# Altium PCB ADAPTONE_PCB_COPY.PcbDoc (part 10 of 11)
Units mil, origin at the board's own origin, x right, y up, seen from the top; angles counter-clockwise.
Board outline 10236.22 x 6701.71 mil, 4 copper layers (Top Layer, GND, Internal Plane 2, Bottom Layer), stack 30.2 mil thick; 1794 components, 935 nets, 4745 pads, 575 vias.
Unrouted connection lines stored in the file: 997.
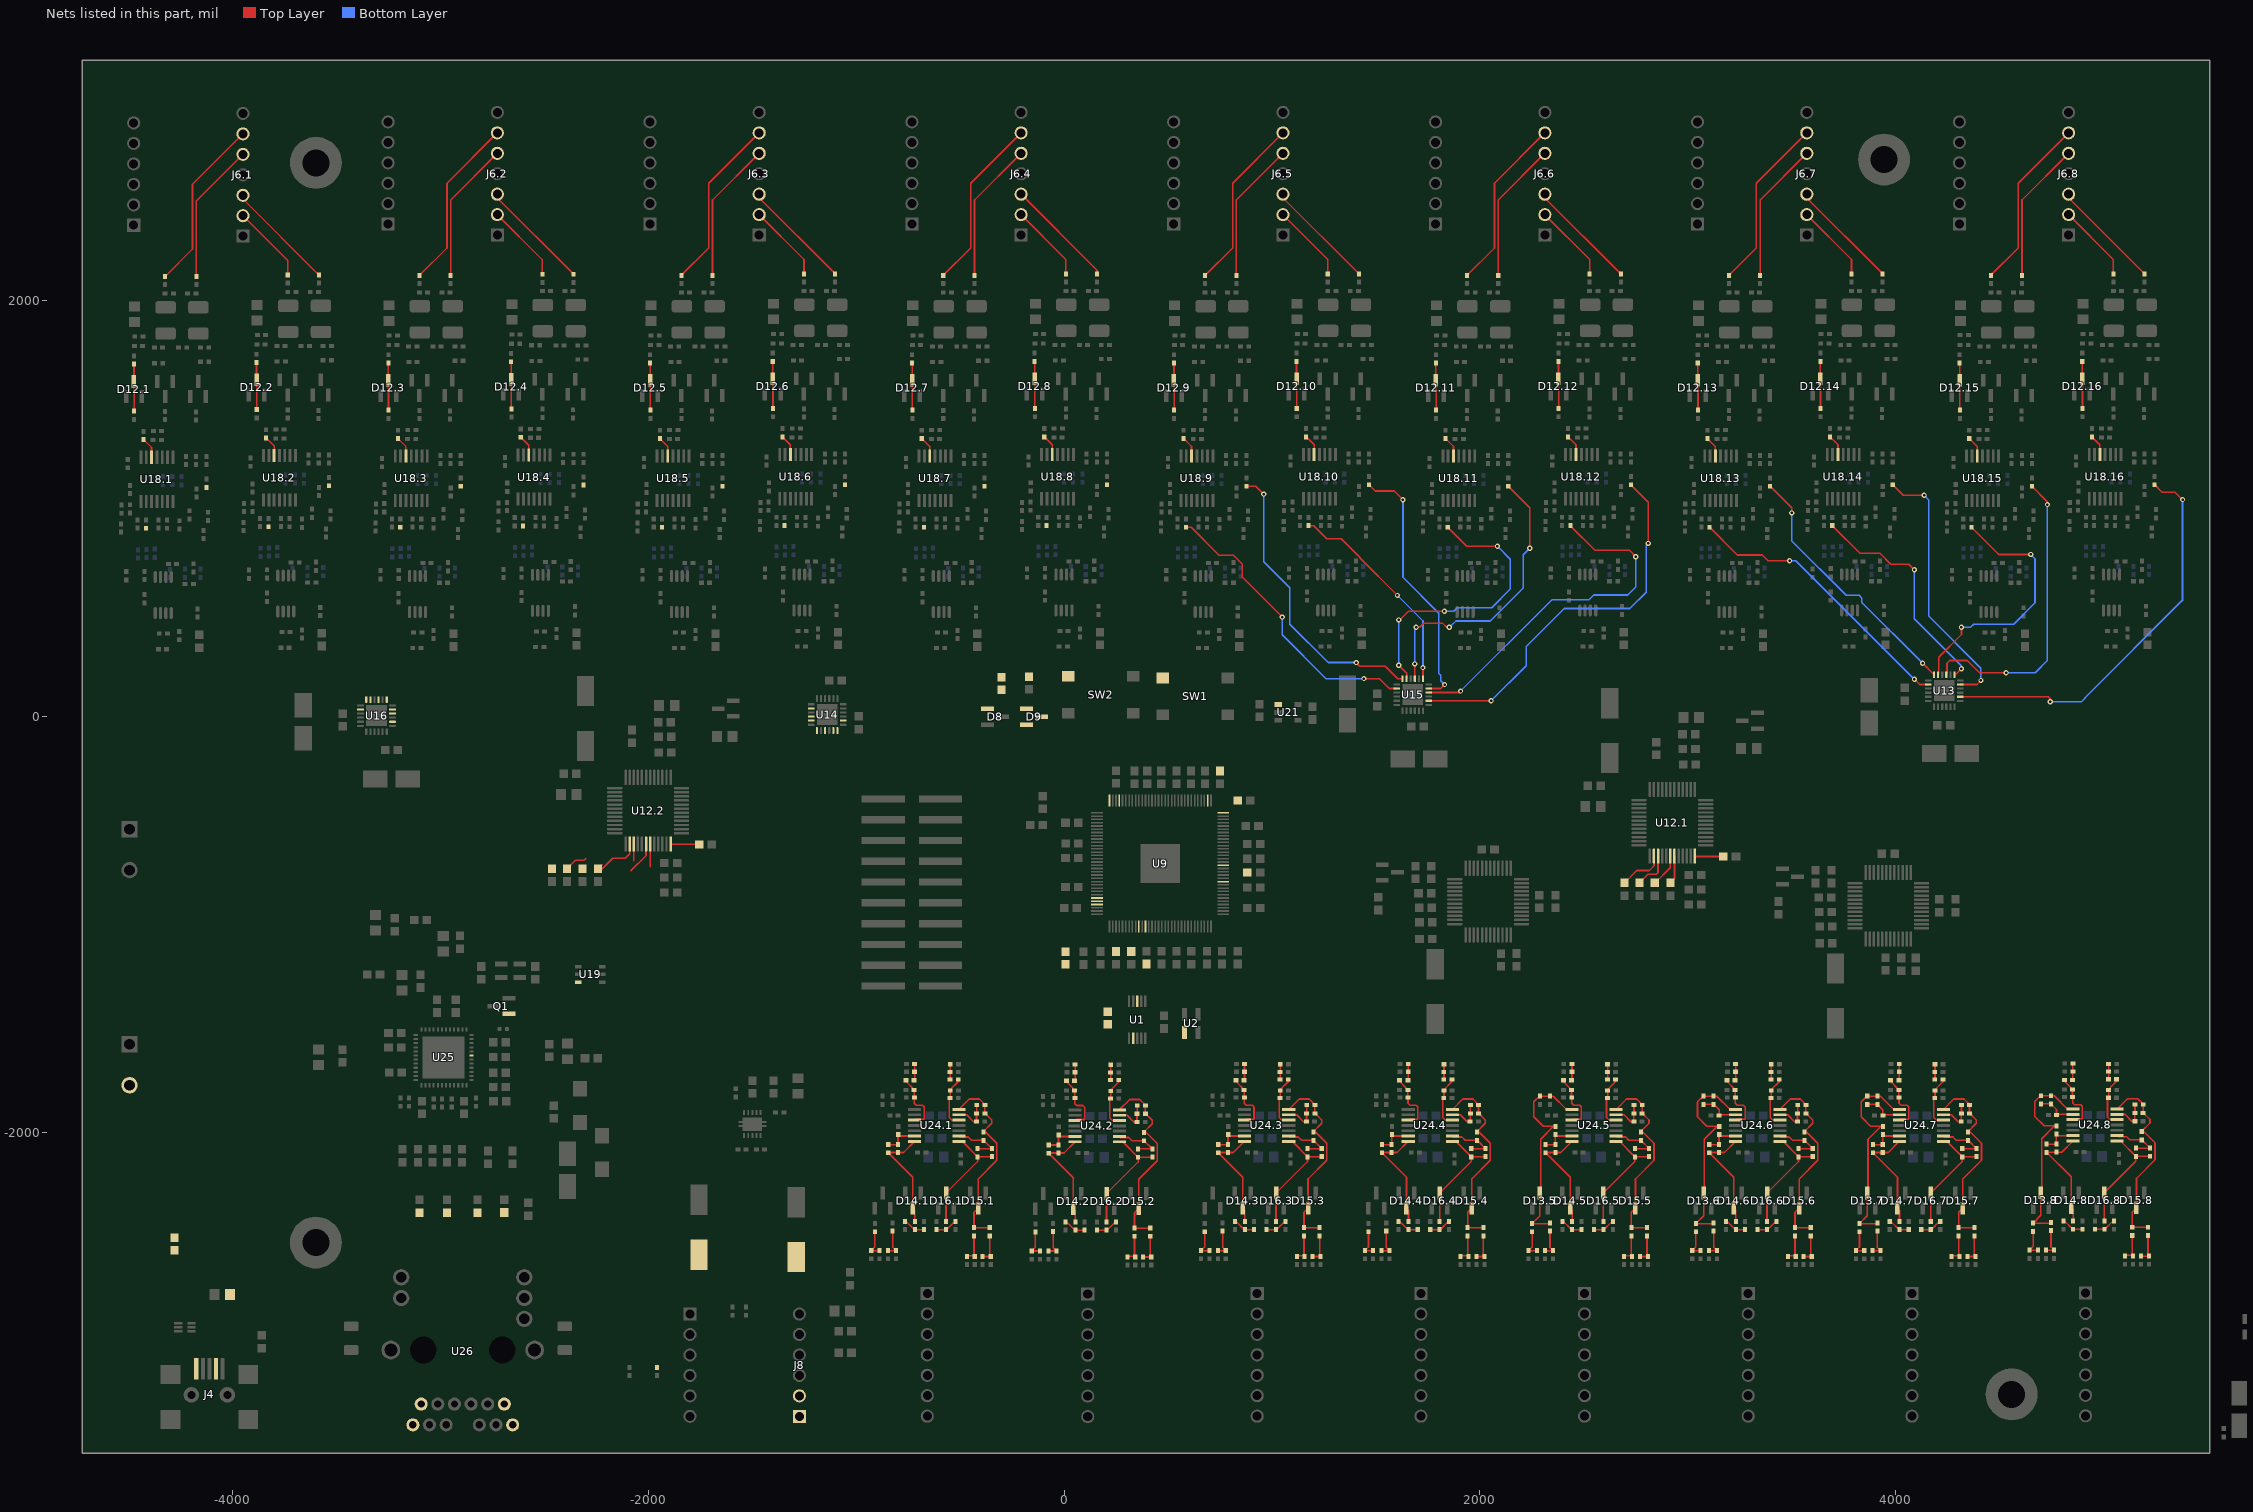
[diagram p12: the nets of this part, all layers, seen from the top]

## Via types
v1: diameter 25, hole 12, Top Layer to Bottom Layer, 566 vias
v2: diameter 19.68, hole 7.87, Top Layer to Bottom Layer, 9 vias

## Nets (pads, with @x,y where several pads share a name; then routed paths per layer and width w, separated by ;. In a path a pad name is that pad's centre, name@x,y a point inside that pad or via, vN(x,y) a via of type N, cw(c..) or ccw(c..) an arc to the next point about the centre after c; other vN are vias at no path point) (continued)
NetC132.5_2: C132.5.2 C133.5.1 C137.5.1 D13.5.3 R82.5.1 R91.5.2 U24.5.1 | length 1015.3
  Top Layer w8: C137.5.1@2336.98,-2435.5 2333.7,-2438.78 C133.5.1@2251.26,-2438.78 2288.66,-2401.37 D13.5.3@2288.66,-2292.04 2292.14,-2288.57 2292.14,-2032.96 R91.5.2@2354.33,-1970.78 ; R91.5.2@2363.98,-1970.78 R91.5.2@2354.33,-1970.78 ; U24.5.1@2442.74,-1889.69 2416.21,-1889.69 2352.29,-1825.78 R82.5.1@2336.98,-1825.78 C132.5.2@2288.66,-1825.78 2286.58,-1825.78 2258.98,-1853.38 2258.98,-1925.46 2304.29,-1970.78 R91.5.2@2354.33,-1970.78
NetC132.6_1: C132.6.1 R82.6.2 R84.6.1 U24.6.2 | length 193.1
  Top Layer w8: C132.6.1@3076.07,-1865.15 R82.6.2@3124.38,-1865.15 3151.07,-1891.83 R84.6.1@3151.07,-1918.46 3154.25,-1915.28 U24.6.2@3230.14,-1915.28
NetC132.6_2: C132.6.2 C133.6.1 C137.6.1 D13.6.3 R82.6.1 R91.6.2 U24.6.1 | length 1015.3
  Top Layer w8: C137.6.1@3124.38,-2435.5 3121.11,-2438.78 C133.6.1@3038.66,-2438.78 3076.07,-2401.37 D13.6.3@3076.07,-2292.04 3079.54,-2288.57 3079.54,-2032.96 R91.6.2@3141.73,-1970.78 ; R91.6.2@3151.38,-1970.78 R91.6.2@3141.73,-1970.78 ; U24.6.1@3230.14,-1889.69 3203.61,-1889.69 3139.7,-1825.78 R82.6.1@3124.38,-1825.78 C132.6.2@3076.07,-1825.78 3073.98,-1825.78 3046.38,-1853.38 3046.38,-1925.46 3091.7,-1970.78 R91.6.2@3141.73,-1970.78
NetC132.7_1: C132.7.1 R82.7.2 R84.7.1 U24.7.2 | length 193.1
  Top Layer w8: C132.7.1@3863.47,-1865.15 R82.7.2@3911.78,-1865.15 3938.47,-1891.83 R84.7.1@3938.47,-1918.46 3941.65,-1915.28 U24.7.2@4017.55,-1915.28
NetC132.7_2: C132.7.2 C133.7.1 C137.7.1 D13.7.3 R82.7.1 R91.7.2 U24.7.1 | length 1015.3
  Top Layer w8: C137.7.1@3911.78,-2435.5 3908.51,-2438.78 C133.7.1@3826.07,-2438.78 3863.47,-2401.37 D13.7.3@3863.47,-2292.04 3866.94,-2288.57 3866.94,-2032.96 R91.7.2@3929.13,-1970.78 ; R91.7.2@3938.78,-1970.78 R91.7.2@3929.13,-1970.78 ; U24.7.1@4017.55,-1889.69 3991.01,-1889.69 3927.1,-1825.78 R82.7.1@3911.78,-1825.78 C132.7.2@3863.47,-1825.78 3861.39,-1825.78 3833.78,-1853.38 3833.78,-1925.46 3879.1,-1970.78 R91.7.2@3929.13,-1970.78
NetC132.8_1: C132.8.1 R82.8.2 R84.8.1 U24.8.2 | length 193.1
  Top Layer w8: C132.8.1@4698.69,-1863.06 R82.8.2@4747,-1863.06 4773.69,-1889.75 R84.8.1@4773.69,-1916.38 4776.87,-1913.2 U24.8.2@4852.76,-1913.2
NetC132.8_2: C132.8.2 C133.8.1 C137.8.1 D13.8.3 R82.8.1 R91.8.2 U24.8.1 | length 1015.3
  Top Layer w8: C137.8.1@4747,-2433.42 4743.72,-2436.69 C133.8.1@4661.28,-2436.69 4698.69,-2399.29 D13.8.3@4698.69,-2289.96 4702.16,-2286.49 4702.16,-2030.88 R91.8.2@4764.35,-1968.69 ; R91.8.2@4774,-1968.69 R91.8.2@4764.35,-1968.69 ; U24.8.1@4852.76,-1887.61 4826.23,-1887.61 4762.32,-1823.69 R82.8.1@4747,-1823.69 C132.8.2@4698.69,-1823.69 4696.6,-1823.69 4669,-1851.3 4669,-1923.38 4714.31,-1968.69 R91.8.2@4764.35,-1968.69
NetC133.1_2: C133.1.2 R81.1.2 R83.1.2 | length 137.8
  Top Layer w8: C133.1.2@-910.79,-2478.15 -910.79,-2551.49 R81.1.2@-928.08,-2568.78 R83.1.2@-888.08,-2568.78
NetC133.2_2: C133.2.2 R81.2.2 R83.2.2 | length 137.8
  Top Layer w8: C133.2.2@-138.72,-2480.23 -138.72,-2553.57 R81.2.2@-156,-2570.86 R83.2.2@-116,-2570.86
NetC133.3_2: C133.3.2 R81.3.2 R83.3.2 | length 137.8
  Top Layer w8: C133.3.2@676.46,-2478.15 676.46,-2551.49 R81.3.2@659.18,-2568.78 R83.3.2@699.18,-2568.78
NetC133.4_2: C133.4.2 R81.4.2 R83.4.2 | length 137.8
  Top Layer w8: C133.4.2@1463.86,-2478.15 1463.86,-2551.49 R81.4.2@1446.58,-2568.78 R83.4.2@1486.58,-2568.78
NetC133.5_2: C133.5.2 R81.5.2 R83.5.2 | length 137.8
  Top Layer w8: C133.5.2@2251.26,-2478.15 2251.26,-2551.49 R81.5.2@2233.98,-2568.78 R83.5.2@2273.98,-2568.78
NetC133.6_2: C133.6.2 R81.6.2 R83.6.2 | length 137.8
  Top Layer w8: C133.6.2@3038.66,-2478.15 3038.66,-2551.49 R81.6.2@3021.38,-2568.78 R83.6.2@3061.38,-2568.78
NetC133.7_2: C133.7.2 R81.7.2 R83.7.2 | length 137.8
  Top Layer w8: C133.7.2@3826.07,-2478.15 3826.07,-2551.49 R81.7.2@3808.78,-2568.78 R83.7.2@3848.78,-2568.78
NetC133.8_2: C133.8.2 R81.8.2 R83.8.2 | length 137.8
  Top Layer w8: C133.8.2@4661.28,-2476.06 4661.28,-2549.41 R81.8.2@4644,-2566.69 R83.8.2@4684,-2566.69
NetC137.1_2: C137.1.2 R85.1.2 R87.1.2 | length 138.6
  Top Layer w8: R87.1.2@-848.08,-2568.78 R85.1.2@-809.76,-2568.78 -825.08,-2553.46 C137.1.2@-825.08,-2474.87
NetC137.2_2: C137.2.2 R85.2.2 R87.2.2 | length 138.6
  Top Layer w8: R87.2.2@-76,-2570.86 R85.2.2@-37.69,-2570.86 -53,-2555.54 C137.2.2@-53,-2476.95
NetC137.3_2: C137.3.2 R85.3.2 R87.3.2 | length 138.6
  Top Layer w8: R87.3.2@739.18,-2568.78 R85.3.2@777.49,-2568.78 762.18,-2553.46 C137.3.2@762.18,-2474.87
NetC137.4_2: C137.4.2 R85.4.2 R87.4.2 | length 138.6
  Top Layer w8: R87.4.2@1526.58,-2568.78 R85.4.2@1564.89,-2568.78 1549.58,-2553.46 C137.4.2@1549.58,-2474.87
NetC137.5_2: C137.5.2 R85.5.2 R87.5.2 | length 138.6
  Top Layer w8: R87.5.2@2313.98,-2568.78 R85.5.2@2352.29,-2568.78 2336.98,-2553.46 C137.5.2@2336.98,-2474.87
NetC137.6_2: C137.6.2 R85.6.2 R87.6.2 | length 138.6
  Top Layer w8: R87.6.2@3101.38,-2568.78 R85.6.2@3139.7,-2568.78 3124.38,-2553.46 C137.6.2@3124.38,-2474.87
NetC137.7_2: C137.7.2 R85.7.2 R87.7.2 | length 138.6
  Top Layer w8: R87.7.2@3888.78,-2568.78 R85.7.2@3927.1,-2568.78 3911.78,-2553.46 C137.7.2@3911.78,-2474.87
NetC137.8_2: C137.8.2 R85.8.2 R87.8.2 | length 138.6
  Top Layer w8: R87.8.2@4724,-2566.69 R85.8.2@4762.31,-2566.69 4747,-2551.38 C137.8.2@4747,-2472.79
NetC138.1_2: C138.1.2 R86.1.1 R88.1.2 | length 79.8
  Top Layer w8: R86.1.1@-721.39,-1749.46 -719.39,-1747.46 R88.1.2@-719.39,-1708.46 C138.1.2@-719.39,-1670.46
NetC138.2_2: C138.2.2 R86.2.1 R88.2.2 | length 79.8
  Top Layer w8: R86.2.1@50.69,-1751.54 52.69,-1749.54 R88.2.2@52.69,-1710.54 C138.2.2@52.69,-1672.54
NetC138.3_2: C138.3.2 R86.3.1 R88.3.2 | length 79.8
  Top Layer w8: R86.3.1@865.86,-1749.46 867.86,-1747.46 R88.3.2@867.86,-1708.46 C138.3.2@867.86,-1670.46
NetC138.4_2: C138.4.2 R86.4.1 R88.4.2 | length 79.8
  Top Layer w8: R86.4.1@1653.26,-1749.46 1655.26,-1747.46 R88.4.2@1655.26,-1708.46 C138.4.2@1655.26,-1670.46
NetC138.5_2: C138.5.2 R86.5.1 R88.5.2 | length 79.8
  Top Layer w8: R86.5.1@2440.66,-1749.46 2442.66,-1747.46 R88.5.2@2442.66,-1708.46 C138.5.2@2442.66,-1670.46
NetC138.6_2: C138.6.2 R86.6.1 R88.6.2 | length 79.8
  Top Layer w8: R86.6.1@3228.07,-1749.46 3230.07,-1747.46 R88.6.2@3230.07,-1708.46 C138.6.2@3230.07,-1670.46
NetC138.7_2: C138.7.2 R86.7.1 R88.7.2 | length 79.8
  Top Layer w8: R86.7.1@4015.47,-1749.46 4017.47,-1747.46 R88.7.2@4017.47,-1708.46 C138.7.2@4017.47,-1670.46
NetC138.8_2: C138.8.2 R86.8.1 R88.8.2 | length 79.8
  Top Layer w8: R86.8.1@4850.69,-1747.38 4852.69,-1745.38 R88.8.2@4852.69,-1706.38 C138.8.2@4852.69,-1668.38
NetC139.1_1: C139.1.1 R90.1.2 R91.1.1 U24.1.6 | length 177.3
  Top Layer w8: C139.1.1@-846.08,-2058.78 -800.08,-2058.78 R90.1.2@-799.08,-2057.78 -799.08,-2011.15 R91.1.1@-798.08,-2010.15 -790.58,-2017.64 U24.1.6@-719.31,-2017.64
NetC139.1_2: C139.1.2 C141.1.1 D14.1.3 R90.1.1 U24.1.7 | length 533.2
  Top Layer w8: U24.1.7@-719.31,-2043.23 -773.23,-2097.15 R90.1.1@-799.08,-2097.15 -845.08,-2097.15 C139.1.2@-846.08,-2098.15 -728.08,-2216.15 D14.1.3@-728.08,-2364.88 -718.08,-2374.88 C141.1.1@-718.08,-2428.78
NetC139.2_1: C139.2.1 R90.2.2 R91.2.1 U24.2.6 | length 177.3
  Top Layer w8: C139.2.1@-74,-2060.86 -28,-2060.86 R90.2.2@-27,-2059.86 -27,-2013.23 R91.2.1@-26,-2012.23 -18.5,-2019.72 U24.2.6@52.76,-2019.72
NetC139.2_2: C139.2.2 C141.2.1 D14.2.3 R90.2.1 U24.2.7 | length 533.2
  Top Layer w8: U24.2.7@52.76,-2045.31 -1.15,-2099.23 R90.2.1@-27,-2099.23 -73,-2099.23 C139.2.2@-74,-2100.23 44,-2218.23 D14.2.3@44,-2366.96 54,-2376.96 C141.2.1@54,-2430.86
NetC139.3_1: C139.3.1 R90.3.2 R91.3.1 U24.3.6 | length 177.3
  Top Layer w8: C139.3.1@741.18,-2058.78 787.18,-2058.78 R90.3.2@788.18,-2057.78 788.18,-2011.15 R91.3.1@789.18,-2010.15 796.67,-2017.64 U24.3.6@867.94,-2017.64
NetC139.3_2: C139.3.2 C141.3.1 D14.3.3 R90.3.1 U24.3.7 | length 533.2
  Top Layer w8: U24.3.7@867.94,-2043.23 814.03,-2097.15 R90.3.1@788.18,-2097.15 742.18,-2097.15 C139.3.2@741.18,-2098.15 859.18,-2216.15 D14.3.3@859.18,-2364.88 869.18,-2374.88 C141.3.1@869.18,-2428.78
NetC139.4_1: C139.4.1 R90.4.2 R91.4.1 U24.4.6 | length 177.3
  Top Layer w8: C139.4.1@1528.58,-2058.78 1574.58,-2058.78 R90.4.2@1575.58,-2057.78 1575.58,-2011.15 R91.4.1@1576.58,-2010.15 1584.07,-2017.64 U24.4.6@1655.34,-2017.64
NetC139.4_2: C139.4.2 C141.4.1 D14.4.3 R90.4.1 U24.4.7 | length 533.2
  Top Layer w8: U24.4.7@1655.34,-2043.23 1601.43,-2097.15 R90.4.1@1575.58,-2097.15 1529.58,-2097.15 C139.4.2@1528.58,-2098.15 1646.58,-2216.15 D14.4.3@1646.58,-2364.88 1656.58,-2374.88 C141.4.1@1656.58,-2428.78
NetC139.5_1: C139.5.1 R90.5.2 R91.5.1 U24.5.6 | length 177.3
  Top Layer w8: C139.5.1@2315.98,-2058.78 2361.98,-2058.78 R90.5.2@2362.98,-2057.78 2362.98,-2011.15 R91.5.1@2363.98,-2010.15 2371.48,-2017.64 U24.5.6@2442.74,-2017.64
NetC139.5_2: C139.5.2 C141.5.1 D14.5.3 R90.5.1 U24.5.7 | length 533.2
  Top Layer w8: U24.5.7@2442.74,-2043.23 2388.83,-2097.15 R90.5.1@2362.98,-2097.15 2316.98,-2097.15 C139.5.2@2315.98,-2098.15 2433.98,-2216.15 D14.5.3@2433.98,-2364.88 2443.98,-2374.88 C141.5.1@2443.98,-2428.78
NetC139.6_1: C139.6.1 R90.6.2 R91.6.1 U24.6.6 | length 177.3
  Top Layer w8: C139.6.1@3103.38,-2058.78 3149.38,-2058.78 R90.6.2@3150.38,-2057.78 3150.38,-2011.15 R91.6.1@3151.38,-2010.15 3158.88,-2017.64 U24.6.6@3230.14,-2017.64
NetC139.6_2: C139.6.2 C141.6.1 D14.6.3 R90.6.1 U24.6.7 | length 533.2
  Top Layer w8: U24.6.7@3230.14,-2043.23 3176.23,-2097.15 R90.6.1@3150.38,-2097.15 3104.38,-2097.15 C139.6.2@3103.38,-2098.15 3221.38,-2216.15 D14.6.3@3221.38,-2364.88 3231.38,-2374.88 C141.6.1@3231.38,-2428.78
NetC139.7_1: C139.7.1 R90.7.2 R91.7.1 U24.7.6 | length 177.3
  Top Layer w8: C139.7.1@3890.78,-2058.78 3936.78,-2058.78 R90.7.2@3937.78,-2057.78 3937.78,-2011.15 R91.7.1@3938.78,-2010.15 3946.28,-2017.64 U24.7.6@4017.55,-2017.64
NetC139.7_2: C139.7.2 C141.7.1 D14.7.3 R90.7.1 U24.7.7 | length 533.2
  Top Layer w8: U24.7.7@4017.55,-2043.23 3963.63,-2097.15 R90.7.1@3937.78,-2097.15 3891.78,-2097.15 C139.7.2@3890.78,-2098.15 4008.78,-2216.15 D14.7.3@4008.78,-2364.88 4018.78,-2374.88 C141.7.1@4018.78,-2428.78
NetC139.8_1: C139.8.1 R90.8.2 R91.8.1 U24.8.6 | length 177.3
  Top Layer w8: C139.8.1@4726,-2056.69 4772,-2056.69 R90.8.2@4773,-2055.69 4773,-2009.06 R91.8.1@4774,-2008.06 4781.5,-2015.56 U24.8.6@4852.76,-2015.56
NetC139.8_2: C139.8.2 C141.8.1 D14.8.3 R90.8.1 U24.8.7 | length 533.2
  Top Layer w8: U24.8.7@4852.76,-2041.15 4798.85,-2095.06 R90.8.1@4773,-2095.06 4727,-2095.06 C139.8.2@4726,-2096.06 4844,-2214.06 D14.8.3@4844,-2362.8 4854,-2372.8 C141.8.1@4854,-2426.69
NetC140.1_1: C140.1.1 R86.1.2 R89.1.2 U24.1.3 | length 287.4
  Top Layer w8: R86.1.2@-760.76,-1749.46 -760.76,-1755.01 -721.39,-1794.38 C140.1.1@-721.39,-1796.46 -721.39,-1831.46 R89.1.2@-720.39,-1832.46 -720.39,-1859.77 -711.36,-1868.8 -682.02,-1868.8 -673.82,-1877 -673.82,-1936.17 -714.61,-1936.17 U24.1.3@-719.31,-1940.87
NetC140.2_1: C140.2.1 R86.2.2 R89.2.2 U24.2.3 | length 287.4
  Top Layer w8: R86.2.2@11.31,-1751.54 11.31,-1757.09 50.69,-1796.46 C140.2.1@50.69,-1798.54 50.69,-1833.54 R89.2.2@51.69,-1834.54 51.69,-1861.85 60.71,-1870.88 90.06,-1870.88 98.26,-1879.08 98.26,-1938.25 57.46,-1938.25 U24.2.3@52.76,-1942.95
NetC140.3_1: C140.3.1 R86.3.2 R89.3.2 U24.3.3 | length 287.4
  Top Layer w8: R86.3.2@826.49,-1749.46 826.49,-1755.01 865.86,-1794.38 C140.3.1@865.86,-1796.46 865.86,-1831.46 R89.3.2@866.86,-1832.46 866.86,-1859.77 875.89,-1868.8 905.23,-1868.8 913.44,-1877 913.44,-1936.17 872.64,-1936.17 U24.3.3@867.94,-1940.87
NetC140.4_1: C140.4.1 R86.4.2 R89.4.2 U24.4.3 | length 287.4
  Top Layer w8: R86.4.2@1613.89,-1749.46 1613.89,-1755.01 1653.26,-1794.38 C140.4.1@1653.26,-1796.46 1653.26,-1831.46 R89.4.2@1654.26,-1832.46 1654.26,-1859.77 1663.29,-1868.8 1692.64,-1868.8 1700.84,-1877 1700.84,-1936.17 1660.04,-1936.17 U24.4.3@1655.34,-1940.87
NetC140.5_1: C140.5.1 R86.5.2 R89.5.2 U24.5.3 | length 287.4
  Top Layer w8: R86.5.2@2401.29,-1749.46 2401.29,-1755.01 2440.66,-1794.38 C140.5.1@2440.66,-1796.46 2440.66,-1831.46 R89.5.2@2441.66,-1832.46 2441.66,-1859.77 2450.69,-1868.8 2480.04,-1868.8 2488.24,-1877 2488.24,-1936.17 2447.44,-1936.17 U24.5.3@2442.74,-1940.87
NetC140.6_1: C140.6.1 R86.6.2 R89.6.2 U24.6.3 | length 287.4
  Top Layer w8: R86.6.2@3188.7,-1749.46 3188.7,-1755.01 3228.07,-1794.38 C140.6.1@3228.07,-1796.46 3228.07,-1831.46 R89.6.2@3229.07,-1832.46 3229.07,-1859.77 3238.09,-1868.8 3267.44,-1868.8 3275.64,-1877 3275.64,-1936.17 3234.85,-1936.17 U24.6.3@3230.14,-1940.87
NetC140.7_1: C140.7.1 R86.7.2 R89.7.2 U24.7.3 | length 287.4
  Top Layer w8: R86.7.2@3976.1,-1749.46 3976.1,-1755.01 4015.47,-1794.38 C140.7.1@4015.47,-1796.46 4015.47,-1831.46 R89.7.2@4016.47,-1832.46 4016.47,-1859.77 4025.5,-1868.8 4054.84,-1868.8 4063.04,-1877 4063.04,-1936.17 4022.25,-1936.17 U24.7.3@4017.55,-1940.87
NetC140.8_1: C140.8.1 R86.8.2 R89.8.2 U24.8.3 | length 287.4
  Top Layer w8: R86.8.2@4811.31,-1747.38 4811.31,-1752.93 4850.69,-1792.3 C140.8.1@4850.69,-1794.38 4850.69,-1829.38 R89.8.2@4851.69,-1830.38 4851.69,-1857.69 4860.71,-1866.72 4890.06,-1866.72 4898.26,-1874.92 4898.26,-1934.09 4857.46,-1934.09 U24.8.3@4852.76,-1938.79
NetC141.1_2: C141.1.2 R92.1.2 R93.1.2 | length 108
  Top Layer w8: R92.1.2@-765.48,-2428.78 -759.53,-2428.78 -720.16,-2468.15 C141.1.2@-718.08,-2468.15 R93.1.2@-673.82,-2468.15
NetC141.2_2: C141.2.2 R92.2.2 R93.2.2 | length 108
  Top Layer w8: R92.2.2@6.6,-2430.86 12.55,-2430.86 51.92,-2470.23 C141.2.2@54,-2470.23 R93.2.2@98.26,-2470.23
NetC141.3_2: C141.3.2 R92.3.2 R93.3.2 | length 108
  Top Layer w8: R92.3.2@821.77,-2428.78 827.72,-2428.78 867.09,-2468.15 C141.3.2@869.18,-2468.15 R93.3.2@913.44,-2468.15
NetC141.4_2: C141.4.2 R92.4.2 R93.4.2 | length 108
  Top Layer w8: R92.4.2@1609.18,-2428.78 1615.13,-2428.78 1654.5,-2468.15 C141.4.2@1656.58,-2468.15 R93.4.2@1700.84,-2468.15
NetC141.5_2: C141.5.2 R92.5.2 R93.5.2 | length 108
  Top Layer w8: R92.5.2@2396.58,-2428.78 2402.53,-2428.78 2441.9,-2468.15 C141.5.2@2443.98,-2468.15 R93.5.2@2488.24,-2468.15
NetC141.6_2: C141.6.2 R92.6.2 R93.6.2 | length 108
  Top Layer w8: R92.6.2@3183.98,-2428.78 3189.93,-2428.78 3229.3,-2468.15 C141.6.2@3231.38,-2468.15 R93.6.2@3275.64,-2468.15
NetC141.7_2: C141.7.2 R92.7.2 R93.7.2 | length 108
  Top Layer w8: R92.7.2@3971.38,-2428.78 3977.33,-2428.78 4016.7,-2468.15 C141.7.2@4018.78,-2468.15 R93.7.2@4063.04,-2468.15
NetC141.8_2: C141.8.2 R92.8.2 R93.8.2 | length 108
  Top Layer w8: R92.8.2@4806.6,-2426.69 4812.55,-2426.69 4851.92,-2466.06 C141.8.2@4854,-2466.06 R93.8.2@4898.26,-2466.06
NetC142.1_1: C142.1.1 R96.1.2 R98.1.1 U24.1.13 | length 179.5
  Top Layer w8: U24.1.13@-506.72,-1915.28 -468.97,-1915.28 -435.79,-1948.46 R98.1.1@-421.38,-1948.46 -421.38,-1909.08 C142.1.1@-420.76,-1908.46 -420.45,-1908.15 R96.1.2@-420.45,-1868.46
NetC142.1_2: C142.1.2 C143.1.1 C144.1.1 D15.1.3 R96.1.1 R105.1.2 R133.2 U24.1.14 | length 931.7
  Top Layer w8: U24.1.14@-506.72,-1889.69 -456.8,-1839.78 -407.68,-1839.78 -381.08,-1866.38 R96.1.1@-381.08,-1868.46 -381.39,-1868.78 C142.1.2@-381.39,-1908.46 -380.56,-1908.46 -348.73,-1940.29 -348.73,-1956.63 -388.08,-1995.98 R105.1.2@-388.08,-1998.78 -377.11,-1998.78 -324.24,-2051.65 -324.24,-2134.44 -413.85,-2224.05 D15.1.3@-413.85,-2364.88 -433.78,-2384.81 -433.78,-2454.87 -430.19,-2458.46 C143.1.1@-358.08,-2458.46
NetC142.2_1: C142.2.1 R96.2.2 R98.2.1 U24.2.13 | length 179.5
  Top Layer w8: U24.2.13@265.36,-1917.36 303.11,-1917.36 336.29,-1950.54 R98.2.1@350.7,-1950.54 350.7,-1911.16 C142.2.1@351.31,-1910.54 351.63,-1910.23 R96.2.2@351.63,-1870.54
NetC142.2_2: C142.2.2 C143.2.1 C144.2.1 D15.2.3 R96.2.1 R105.2.2 U24.2.14 | length 931.7
  Top Layer w8: U24.2.14@265.36,-1891.77 315.28,-1841.86 364.4,-1841.86 391,-1868.46 R96.2.1@391,-1870.54 390.69,-1870.86 C142.2.2@390.69,-1910.54 391.52,-1910.54 423.35,-1942.37 423.35,-1958.71 384,-1998.06 R105.2.2@384,-2000.86 394.97,-2000.86 447.84,-2053.73 447.84,-2136.52 358.23,-2226.14 D15.2.3@358.23,-2366.96 338.3,-2386.89 338.3,-2456.95 341.89,-2460.54 C143.2.1@414,-2460.54
NetC142.3_1: C142.3.1 R96.3.2 R98.3.1 U24.3.13 | length 179.5
  Top Layer w8: U24.3.13@1080.54,-1915.28 1118.29,-1915.28 1151.47,-1948.46 R98.3.1@1165.87,-1948.46 1165.87,-1909.08 C142.3.1@1166.49,-1908.46 1166.81,-1908.15 R96.3.2@1166.81,-1868.46
NetC142.3_2: C142.3.2 C143.3.1 C144.3.1 D15.3.3 R96.3.1 R105.3.2 U24.3.14 | length 931.7
  Top Layer w8: U24.3.14@1080.54,-1889.69 1130.45,-1839.78 1179.57,-1839.78 1206.18,-1866.38 R96.3.1@1206.18,-1868.46 1205.86,-1868.78 C142.3.2@1205.86,-1908.46 1206.69,-1908.46 1238.52,-1940.29 1238.52,-1956.63 1199.18,-1995.98 R105.3.2@1199.18,-1998.78 1210.14,-1998.78 1263.02,-2051.65 1263.02,-2134.44 1173.4,-2224.05 D15.3.3@1173.4,-2364.88 1153.47,-2384.81 1153.47,-2454.87 1157.06,-2458.46 C143.3.1@1229.18,-2458.46
NetC142.4_1: C142.4.1 R96.4.2 R98.4.1 U24.4.13 | length 179.5
  Top Layer w8: U24.4.13@1867.94,-1915.28 1905.69,-1915.28 1938.87,-1948.46 R98.4.1@1953.27,-1948.46 1953.27,-1909.08 C142.4.1@1953.89,-1908.46 1954.21,-1908.15 R96.4.2@1954.21,-1868.46
NetC142.4_2: C142.4.2 C143.4.1 C144.4.1 D15.4.3 R96.4.1 R105.4.2 U24.4.14 | length 931.7
  Top Layer w8: U24.4.14@1867.94,-1889.69 1917.85,-1839.78 1966.97,-1839.78 1993.58,-1866.38 R96.4.1@1993.58,-1868.46 1993.26,-1868.78 C142.4.2@1993.26,-1908.46 1994.1,-1908.46 2025.92,-1940.29 2025.92,-1956.63 1986.58,-1995.98 R105.4.2@1986.58,-1998.78 1997.55,-1998.78 2050.42,-2051.65 2050.42,-2134.44 1960.81,-2224.05 D15.4.3@1960.81,-2364.88 1940.88,-2384.81 1940.88,-2454.87 1944.47,-2458.46 C143.4.1@2016.58,-2458.46
NetC142.5_1: C142.5.1 R96.5.2 R98.5.1 U24.5.13 | length 179.5
  Top Layer w8: U24.5.13@2655.34,-1915.28 2693.09,-1915.28 2726.27,-1948.46 R98.5.1@2740.67,-1948.46 2740.67,-1909.08 C142.5.1@2741.29,-1908.46 2741.61,-1908.15 R96.5.2@2741.61,-1868.46
NetC142.5_2: C142.5.2 C143.5.1 C144.5.1 D15.5.3 R96.5.1 R105.5.2 U24.5.14 | length 931.7
  Top Layer w8: U24.5.14@2655.34,-1889.69 2705.25,-1839.78 2754.38,-1839.78 2780.98,-1866.38 R96.5.1@2780.98,-1868.46 2780.66,-1868.78 C142.5.2@2780.66,-1908.46 2781.5,-1908.46 2813.33,-1940.29 2813.33,-1956.63 2773.98,-1995.98 R105.5.2@2773.98,-1998.78 2784.95,-1998.78 2837.82,-2051.65 2837.82,-2134.44 2748.21,-2224.05 D15.5.3@2748.21,-2364.88 2728.28,-2384.81 2728.28,-2454.87 2731.87,-2458.46 C143.5.1@2803.98,-2458.46
NetC142.6_1: C142.6.1 R96.6.2 R98.6.1 U24.6.13 | length 179.5
  Top Layer w8: U24.6.13@3442.74,-1915.28 3480.49,-1915.28 3513.67,-1948.46 R98.6.1@3528.08,-1948.46 3528.08,-1909.08 C142.6.1@3528.7,-1908.46 3529.01,-1908.15 R96.6.2@3529.01,-1868.46
NetC142.6_2: C142.6.2 C143.6.1 C144.6.1 D15.6.3 R96.6.1 R105.6.2 U24.6.14 | length 931.7
  Top Layer w8: U24.6.14@3442.74,-1889.69 3492.66,-1839.78 3541.78,-1839.78 3568.38,-1866.38 R96.6.1@3568.38,-1868.46 3568.07,-1868.78 C142.6.2@3568.07,-1908.46 3568.9,-1908.46 3600.73,-1940.29 3600.73,-1956.63 3561.38,-1995.98 R105.6.2@3561.38,-1998.78 3572.35,-1998.78 3625.22,-2051.65 3625.22,-2134.44 3535.61,-2224.05 D15.6.3@3535.61,-2364.88 3515.68,-2384.81 3515.68,-2454.87 3519.27,-2458.46 C143.6.1@3591.38,-2458.46
NetC142.7_1: C142.7.1 R96.7.2 R98.7.1 U24.7.13 | length 179.5
  Top Layer w8: U24.7.13@4230.14,-1915.28 4267.89,-1915.28 4301.07,-1948.46 R98.7.1@4315.48,-1948.46 4315.48,-1909.08 C142.7.1@4316.1,-1908.46 4316.41,-1908.15 R96.7.2@4316.41,-1868.46
NetC142.7_2: C142.7.2 C143.7.1 C144.7.1 D15.7.3 R96.7.1 R105.7.2 U24.7.14 | length 931.7
  Top Layer w8: U24.7.14@4230.14,-1889.69 4280.06,-1839.78 4329.18,-1839.78 4355.78,-1866.38 R96.7.1@4355.78,-1868.46 4355.47,-1868.78 C142.7.2@4355.47,-1908.46 4356.3,-1908.46 4388.13,-1940.29 4388.13,-1956.63 4348.78,-1995.98 R105.7.2@4348.78,-1998.78 4359.75,-1998.78 4412.62,-2051.65 4412.62,-2134.44 4323.01,-2224.05 D15.7.3@4323.01,-2364.88 4303.08,-2384.81 4303.08,-2454.87 4306.67,-2458.46 C143.7.1@4378.78,-2458.46
NetC142.8_1: C142.8.1 R96.8.2 R98.8.1 U24.8.13 | length 179.5
  Top Layer w8: U24.8.13@5065.36,-1913.2 5103.11,-1913.2 5136.29,-1946.38 R98.8.1@5150.7,-1946.38 5150.7,-1907 C142.8.1@5151.31,-1906.38 5151.63,-1906.06 R96.8.2@5151.63,-1866.38
NetC142.8_2: C142.8.2 C143.8.1 C144.8.1 D15.8.3 R96.8.1 R105.8.2 U24.8.14 | length 931.7
  Top Layer w8: U24.8.14@5065.36,-1887.61 5115.28,-1837.69 5164.4,-1837.69 5191,-1864.3 R96.8.1@5191,-1866.38 5190.69,-1866.69 C142.8.2@5190.69,-1906.38 5191.52,-1906.38 5223.35,-1938.21 5223.35,-1954.55 5184,-1993.9 R105.8.2@5184,-1996.69 5194.97,-1996.69 5247.84,-2049.57 5247.84,-2132.36 5158.23,-2221.97 D15.8.3@5158.23,-2362.8 5138.3,-2382.73 5138.3,-2452.79 5141.89,-2456.38 C143.8.1@5214,-2456.38
NetC143.1_2: C143.1.2 R95.1.2 R97.1.2 | length 139.9